# KiCad board pq-register.kicad_pcb (continued)
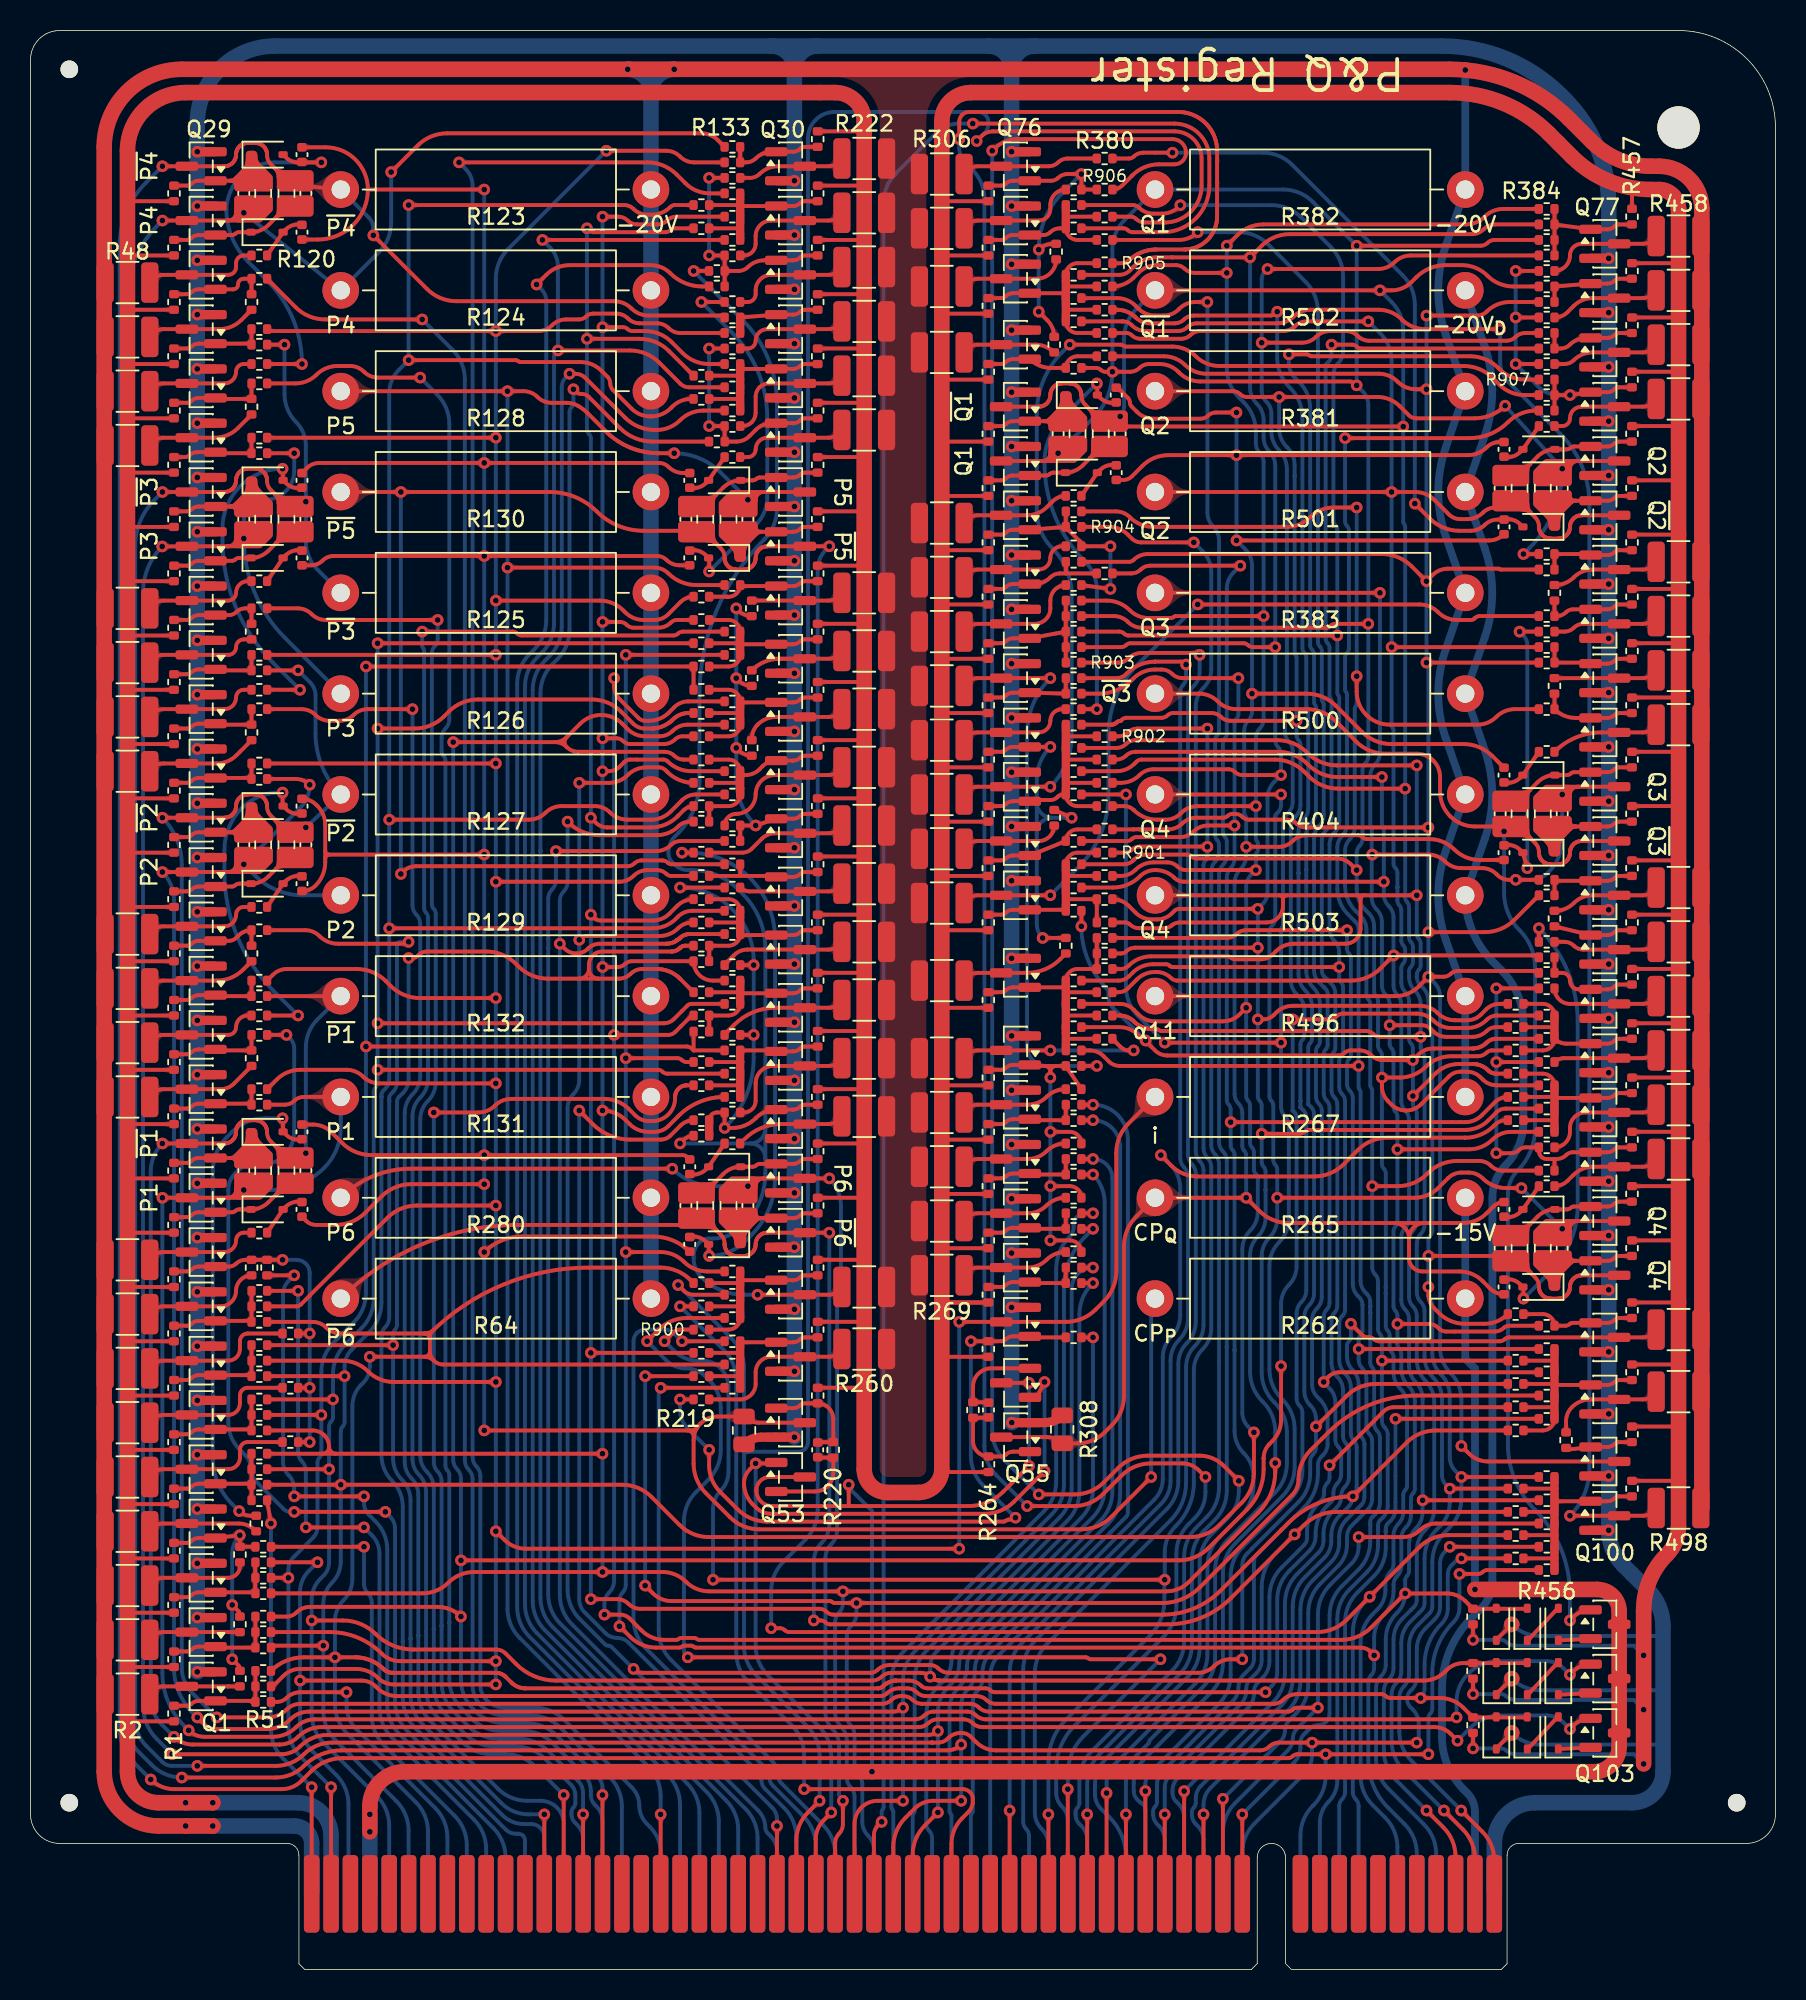
[diagram p0: board, top side]
## Routing (per net, layer and track width the routed paths; a pad name or vN(x,y) marks a point on that pad's centre or on a via; arc(x,y) is an arc through that point) (continued)
Net-(Q46-B): length 12.3
  Top w0.254: R251.1 50.72,60.45 arc(50.56,60.42) 50.42,60.32 arc(50.21,60.18) 49.95,60.13 Q46.1 arc(48.77,60.18) 48.69,60.2 R198.2 ; 46.48,59.44 44.45,59.44 ; 46.48,57.91 R201.2
  Top w0.54: R202.2 46.48,59.44 46.48,59.44 R198.2
Net-(Q46-C): length 9.1
  Top w0.254: R252.2 52.89,59.44 arc(52.61,59.25) 52.28,59.18 Q46.3 48.64,59.18 arc(47.83,58.85) 47.5,58.04 47.5,56.9 arc(47.27,56.36) 46.74,56.13 R203.1
Net-(Q47-B): length 33.8
  Top w0.254: v1(45.47,55.12) 45.96,55.12 arc(46.79,55.28) 47.5,55.75 47.52,55.77 arc(48.13,56.18) Q47.1 49.95,56.32 arc(50.21,56.37) 50.42,56.51 arc(50.56,56.61) 50.72,56.64 R253.1 ; 45.46,55.12 R203.2 44.96,56.13 arc(44.6,55.99) R204.2 44.6,55.78 ; v1(42.55,70.87) R184.2 ; v1(47.37,61.21) R197.2 ; v1(47.37,65.79) R191.2
  Top w0.54: R204.2 R205.2
  Bottom w0.254: v1(42.55,70.87) arc(45.96,69.45) 47.37,66.04 v1(47.37,65.79) v1(47.37,61.21) 47.37,59.72 arc(46.88,57.23) v1(45.47,55.12)
Net-(Q50-B): length 14.8
  Top w0.254: R257.1 50.72,45.46 arc(50.56,45.43) 50.42,45.34 arc(50.21,45.2) 49.95,45.15 Q50.1 46.58,45.15 arc(46.51,45.12) 46.48,45.05 arc(46.46,44.99) 46.39,44.96 R210.2 ; R900.2 45.72,41.91 arc(46.26,42.13) R213.2 ; 46.48,43.43 R212.2
  Top w0.54: R209.2 R213.2
Net-(Q51-B): length 12.3
  Top w0.254: 46.55,41.08 Q51.1 49.95,41.08 arc(50.21,41.13) 50.42,41.27 arc(50.56,41.37) 50.72,41.4 R259.1 ; 46.48,38.73 46.36,38.86 R217.2 ; 46.48,40.39 R215.2
  Top w0.54: R218.2 R214.2
Net-(Q51-C): length 10.8
  Top w0.254: R260.2 52.89,40.39 arc(52.61,40.2) 52.28,40.13 Q51.3 48.51,40.13 arc(47.8,39.83) 47.5,39.12 47.5,38.35 arc(47.2,37.64) 46.48,37.34 R219.1
Net-(Q52-B): length 6.9
  Top w0.254: Q52.1 49.95,36.76 arc(50.21,36.81) 50.42,36.96 arc(50.56,37.05) 50.72,37.08 R261.1 arc(52.28,36.78) 52.58,36.07 R220.2 51.59,34.55 arc(51.57,34.54) C25.2
Net-(Q53-E): length 6.5
  Top w0.254: Q53.2 51.37,31.31 arc(52.23,31.66) 52.58,32.51 R220.1 51.59,33.53 arc(51.57,33.53) C25.1
Net-(Q54-E): length 6.5
  Top w0.254: Q54.2 62.94,39.37 arc(62.09,39.02) 61.74,38.17 R307.1 62.72,37.16 arc(62.74,37.15) C26.1
Net-(Q55-B): length 6.9
  Top w0.254: Q55.1 64.36,33.92 arc(64.11,33.87) 63.89,33.73 arc(63.76,33.63) 63.59,33.6 R264.1 arc(62.03,33.9) 61.74,34.62 R307.2 62.72,36.14 arc(62.74,36.14) C26.2
Net-(Q56-B): length 47
  Top w0.254: v1(64.52,29.59) 64.45,29.53 arc(64.38,29.48) 64.3,29.46 64.05,29.46 arc(63.97,29.45) 63.9,29.4 arc(63.83,29.35) 63.75,29.34 48.24,29.34 arc(47.2,29.54) 46.32,30.13 45.17,31.29 arc(44.64,32.08) 44.45,33.02 v1(44.45,34.04) ; v1(42.55,37.34) R219.2 ; R309.2 65.52,41.4 arc(65.47,41.42) Q56.1 64.35,41.47 arc(64.09,41.42) 63.88,41.27 arc(63.74,41.18) 63.58,41.15 R266.1 61.6,41.15 arc(61.6,41.15) v1(61.6,41.15)
  Bottom w0.254: v1(42.55,37.34) 42.55,36.64 arc(42.67,35.99) 43.04,35.45 v1(44.45,34.04) ; v1(64.52,29.59) 62.39,31.72 arc(61.8,32.6) 61.59,33.64 v1(61.59,41.15)
Net-(Q57-B): length 6.2
  Top w0.254: R268.1 63.58,44.71 arc(63.74,44.74) 63.88,44.83 arc(64.09,44.97) 64.35,45.02 Q57.1 arc(65.47,44.98) 65.52,44.96 R310.2 R311.2
Net-(Q57-C): length 7.1
  Top w0.254: R312.1 67.77,46.99 arc(67.11,46.86) 66.55,46.48 arc(65.99,46.11) 65.32,45.97 Q57.3 62.02,45.97 arc(61.69,45.91) 61.41,45.72 R269.2
Net-(Q58-B): length 6.2
  Top w0.254: R270.1 63.58,48.26 arc(63.74,48.29) 63.88,48.39 arc(64.09,48.53) 64.35,48.58 Q58.1 arc(65.47,48.53) 65.52,48.51 R313.2 R314.2
Net-(Q58-C): length 7.1
  Top w0.254: R315.1 67.77,50.55 arc(67.11,50.41) 66.55,50.04 arc(65.99,49.66) 65.32,49.53 Q58.3 62.02,49.53 arc(61.69,49.46) 61.41,49.28 R271.2
Net-(Q59-B): length 6.2
  Top w0.254: R272.1 63.58,51.82 arc(63.74,51.85) 63.88,51.94 arc(64.09,52.09) 64.35,52.14 Q59.1 arc(65.47,52.09) 65.52,52.07 R316.2 R317.2
Net-(Q59-C): length 7.1
  Top w0.254: R273.2 61.41,52.83 arc(61.69,53.02) 62.02,53.09 Q59.3 65.32,53.09 arc(65.99,53.22) 66.55,53.59 arc(67.11,53.97) 67.77,54.1 R318.1
Net-(Q60-B): length 6.2
  Top w0.254: R274.1 63.58,55.37 arc(63.74,55.41) 63.88,55.5 arc(64.09,55.64) 64.35,55.69 Q60.1 arc(65.47,55.65) 65.52,55.63 R319.2 R320.2
Net-(Q60-C): length 7.1
  Top w0.254: R321.1 67.77,57.66 arc(67.11,57.53) 66.55,57.15 arc(65.99,56.77) 65.32,56.64 Q60.3 62.02,56.64 arc(61.69,56.58) 61.41,56.39 R275.2
Net-(Q61-B): length 26.9
  Top w0.254: 66.8,58.8 v1(66.8,58.42) ; 66.8,58.8 arc(66.69,59.07) 66.42,59.18 ; 66.8,58.8 arc(66.91,59.07) 67.18,59.18 ; 68.84,54.23 R318.2 arc(68.61,54.64) 68.07,54.86 v1(66.8,54.86) ; 67.18,59.18 R322.2 R321.2 ; 67.18,59.18 66.42,59.18 ; 68.84,50.58 R315.2 arc(68.61,51.08) 68.07,51.31 v1(66.8,51.31) ; R276.1 63.58,58.93 arc(63.74,58.96) 63.88,59.05 arc(64.09,59.2) 64.35,59.25 Q61.1 arc(65.47,59.2) 65.52,59.18 66.42,59.18 ; v1(66.8,47.75) 68.07,47.75 arc(68.61,47.53) R312.2 68.84,47.01 arc(68.83,47.02) 68.82,47.04
  Bottom w0.254: v1(66.8,47.75) v1(66.8,51.31) v1(66.8,54.86) v1(66.8,58.42)
Net-(Q61-C): length 13
  Top w0.254: v1(66.8,60.2) Q61.3 62.02,60.2 arc(61.69,60.13) 61.41,59.94 R277.2 ; v1(72.26,60.2) 71.95,60.2 arc(71.65,60.26) 71.41,60.42 R324.1
  Bottom w0.254: v1(72.26,60.2) v1(66.8,60.2)
Net-(Q62-B): length 20.5
  Top w0.254: R278.1 63.58,64.01 arc(63.74,64.04) 63.88,64.13 arc(64.09,64.28) 64.35,64.33 Q62.1 67.66,64.33 arc(67.77,64.37) 67.82,64.49 ; 67.82,62.48 R326.2 ; R328.2 67.98,64.01 arc(67.86,63.96) 67.82,63.85 ; R333.2 R331.2 R330.2 68.58,65.53 arc(68.04,65.31) R329.2 ; 67.82,60.96 R324.2
  Top w0.54: R329.2 R327.2 R325.2 R323.2
Net-(Q62-C): length 7.2
  Top w0.254: R279.2 61.41,65.02 arc(61.69,65.21) 62.02,65.28 Q62.3 65.28,65.28 arc(66.45,65.51) 67.45,66.18 R332.1
Net-(Q63-B): length 16.3
  Top w0.254: R281.1 63.58,69.09 arc(63.74,69.12) 63.88,69.21 arc(64.09,69.36) 64.35,69.41 Q63.1 67.75,69.41 arc(67.8,69.39) R335.2 ; 67.82,71.63 R338.2 ; 67.82,70.1 69.85,70.1 R336.2 69.85,70.1 R334.2 ; R901.2 68.58,73.15 arc(68.04,72.93) R339.2
  Top w0.54: R339.2 R335.2
Net-(Q63-C): length 51
  Top w0.254: R282.2 61.41,70.1 arc(61.69,70.29) 62.02,70.36 Q63.3 v1(66.8,70.36) ; v1(76.45,89.41) 90.98,89.41 arc(91.64,89.28) 92.2,88.9 arc(92.76,88.52) 93.43,88.39 94.36,88.39 arc(94.48,88.42) 94.58,88.48 94.61,88.52 arc(94.76,88.61) 94.92,88.65 R403.1
  Bottom w0.254: v1(76.45,89.41) 72.52,85.47 arc(71.11,83.36) 70.61,80.87 70.61,76.96 arc(70.1,74.38) 68.64,72.19 v1(66.8,70.36)
Net-(Q64-B): length 7.8
  Top w0.254: R283.1 63.58,72.65 arc(63.74,72.68) 63.88,72.77 arc(64.09,72.91) 64.35,72.96 Q64.1 R340.2 arc(68.04,74.45) 68.58,74.68 R341.2
Net-(Q64-C): length 6.7
  Top w0.254: R284.2 61.41,73.66 arc(61.69,73.85) 62.02,73.91 Q64.3 66.04,73.91 arc(66.76,74.21) R342.1
Net-(Q65-B): length 18.4
  Top w0.254: 67.82,80.77 R902.2 ; 67.82,77.72 R345.2 ; R343.2 68.58,76.2 arc(68.04,76.42) R344.2 67.63,76.96 arc(67.45,76.93) 67.3,76.83 67.26,76.78 arc(67.05,76.65) 66.82,76.6 65.59,76.6 arc(65.54,76.59) 65.49,76.56 arc(65.45,76.53) 65.4,76.52 64.35,76.52 arc(64.09,76.47) 63.88,76.33 arc(63.74,76.23) 63.58,76.2 R285.1 ; 67.82,79.25 R347.2
  Top w0.54: R344.2 R346.2 R348.2 R349.2
Net-(Q65-C): length 68.1
  Top w0.254: R395.1 97.85,103.12 arc(96.97,103.3) 96.23,103.8 95.79,104.23 arc(94.91,104.82) 93.87,105.03 77.86,105.03 arc(77.03,105.19) 76.33,105.66 arc(75.62,106.13) 74.79,106.3 71.72,106.3 arc(71.63,106.32) 71.56,106.36 arc(71.49,106.41) 71.41,106.43 v1(68.07,106.43) ; R286.2 61.41,77.22 arc(61.69,77.4) 62.02,77.47 Q65.3 v1(66.8,77.47)
  Bottom w0.254: v1(68.07,106.43) 67.59,105.95 arc(66.35,104.09) 65.91,101.89 65.91,95.54 arc(66.18,94.22) 66.93,93.09 arc(67.87,91.68) 68.2,90.02 68.2,80.84 arc(67.84,79.02) v1(66.8,77.47)
Net-(Q66-B): length 24.3
  Top w0.254: v1(68.2,75.44) R342.2 ; R332.2 66.3,67.57 ; R287.1 63.58,79.76 arc(63.74,79.79) 63.88,79.88 arc(64.09,80.03) 64.35,80.08 Q66.1 v1(66.8,80.08) ; 66.74,80.08 arc(66.78,80.06) 66.8,80.01
  Bottom w0.254: 65.91,76.44 65.91,77.93 arc(66.14,79.09) v1(66.8,80.08) ; 65.91,76.44 65.91,74.44 ; 65.91,76.44 arc(66.21,75.73) 66.91,75.44 ; 65.91,74.44 65.91,68.48 arc(66.01,67.99) v1(66.29,67.56) ; 65.91,74.44 arc(66.21,75.15) 66.91,75.44 ; v1(68.2,75.44) 66.91,75.44
Net-(Q67-B): length 6.2
  Top w0.254: R352.2 R351.2 Q67.1 64.35,83.63 arc(64.09,83.58) 63.88,83.44 arc(63.74,83.35) 63.58,83.31 R289.1
Net-(Q67-C): length 36.7
  Top w0.254: R290.2 61.41,84.33 arc(61.69,84.52) 62.02,84.58 Q67.3 v1(66.8,84.58) ; v1(69.85,59.18) R322.1
  Bottom w0.254: v1(69.85,59.18) 66.55,59.18 arc(65.65,59.55) 65.28,60.45 65.28,80.9 arc(65.67,82.89) v1(66.8,84.58)
Net-(Q68-B): length 9.3
  Top w0.254: R354.2 Q68.1 64.35,87.19 arc(64.09,87.14) 63.88,86.99 arc(63.74,86.9) 63.58,86.87 R291.1 ; R356.2 R903.2
Net-(Q68-C): length 8.5
  Top w0.254: R292.2 61.41,87.88 arc(61.69,88.07) 62.02,88.14 Q68.3 65.79,88.14 arc(66.5,88.44) 66.8,89.15 66.8,89.66 arc(67.1,90.38) R357.1
Net-(Q69-B): length 8.1
  Top w0.254: 67.82,91.44 R358.2 ; 67.82,91.44 67.42,91.44 arc(67.08,91.37) 66.8,91.19 arc(66.31,90.86) 65.73,90.74 64.35,90.74 arc(64.09,90.69) 63.88,90.55 arc(63.74,90.46) 63.58,90.43 R293.1 ; 67.82,91.44 arc(67.82,91.44) 67.82,91.44 R359.2
Net-(Q69-C): length 7.7
  Top w0.254: R360.1 67.56,93.22 arc(67.03,92.99) 66.8,92.46 arc(66.58,91.92) 66.04,91.69 Q69.3 62.02,91.69 arc(61.69,91.63) 61.41,91.44 R294.2
Net-(Q70-B): length 14.5
  Top w0.254: 67.82,94.5 67.82,94.47 ; 67.82,94.5 R361.2 ; 67.82,94.5 arc(67.81,94.49) 67.8,94.49 ; 67.82,94.47 arc(67.82,94.46) 67.83,94.44 68.76,93.51 arc(68.82,93.43) 68.84,93.33 arc(68.87,93.25) 68.94,93.22 v1(70.74,93.22) ; 67.82,94.47 arc(67.81,94.48) 67.8,94.49 ; R295.1 63.58,93.98 arc(63.74,94.01) 63.88,94.11 arc(64.09,94.25) 64.35,94.3 Q70.1 67.8,94.49 ; v1(70.74,90.42) R357.2
  Bottom w0.254: v1(70.74,90.42) v1(70.74,93.22)
Net-(Q73-B): length 7.8
  Top w0.254: R366.2 68.58,105.66 arc(68.04,105.44) R365.2 66.84,104.9 arc(66.09,105.05) Q73.1 64.35,105.48 arc(64.09,105.43) 63.88,105.28 arc(63.74,105.19) 63.58,105.16 R299.1
Net-(Q73-C): length 6.2
  Top w0.254: R300.2 61.41,106.17 arc(61.69,106.36) 62.02,106.43 Q73.3 65.82,106.43 arc(66.49,106.29) R367.1
Net-(Q74-B): length 17.2
  Top w0.254: R368.2 68.58,107.19 arc(68.04,107.41) R369.2 ; R301.1 63.58,109.48 arc(63.74,109.51) 63.88,109.6 arc(64.09,109.74) 64.35,109.79 Q74.1 67.82,109.79 ; R905.2 68.58,111.76 arc(68.04,111.54) R373.2 ; 67.82,108.71 R370.2 ; 67.82,110.24 R372.2
  Top w0.54: R369.2 R371.2 R373.2
Net-(Q74-C): length 6.9
  Top w0.254: R302.2 61.41,110.49 arc(61.69,110.68) 62.02,110.74 Q74.3 65.92,110.74 arc(66.81,111.12) R374.1
Net-(Q75-B): length 11.3
  Top w0.254: R303.1 63.58,113.29 arc(63.74,113.32) 63.88,113.41 arc(64.09,113.55) 64.35,113.6 Q75.1 66.35,113.6 arc(66.59,113.65) 66.8,113.79 arc(67.08,113.98) 67.42,114.05 R376.2 arc(68.04,113.51) 68.58,113.28 R375.2 ; 67.82,114.81 R377.2
  Top w0.54: R376.2 R378.2
Net-(Q75-C): length 8.1
  Top w0.254: R304.2 61.41,114.3 arc(61.69,114.49) 62.02,114.55 Q75.3 66.04,114.55 arc(66.58,114.78) 66.8,115.32 66.8,115.57 arc(67.1,116.29) R379.1
Net-(Q76-B): length 21.5
  Top w0.254: v1(66.04,108.58) 66.61,108.02 arc(66.94,107.52) R367.2 ; R305.1 63.58,116.84 arc(63.74,116.87) 63.88,116.97 arc(64.09,117.11) 64.35,117.16 Q76.1 66.86,117.16 arc(67.1,117.21) 67.31,117.35 arc(67.59,117.54) 67.92,117.6 v1(68.83,117.6) 68.83,116.59 arc(68.83,116.59) 68.83,116.59 arc(68.84,116.59) 68.84,116.59 R906.2 ; R374.2 66.96,113.03 arc(66.46,112.93) v1(66.04,112.65)
  Bottom w0.254: v1(66.04,108.58) v1(66.04,112.65) arc(66.44,114.64) 67.57,116.33 v1(68.83,117.6)
Net-(Q77-B): length 8.2
  Top w0.254: R385.2 Q77.1 103.29,113.98 arc(103.55,114.03) 103.76,114.17 arc(103.9,114.27) 104.06,114.3 R457.1 ; R387.2 R386.2 R384.2
Net-(Q77-C): length 7.9
  Top w0.254: R458.2 106.23,113.28 arc(105.95,113.1) 105.62,113.03 Q77.3 101.6,113.03 arc(101.06,112.81) 100.84,112.27 100.84,112.27 arc(100.54,111.55) R388.1
Net-(Q78-B): length 6.2
  Top w0.254: R459.1 104.06,110.74 arc(103.9,110.71) 103.76,110.62 arc(103.55,110.47) 103.29,110.42 Q78.1 R389.2 R390.2
Net-(Q78-C): length 7.2
  Top w0.254: R460.2 106.23,109.73 arc(105.95,109.54) 105.62,109.47 Q78.3 102.32,109.47 arc(101.65,109.34) 101.09,108.97 100.69,108.56 arc(100.29,108.3) R391.1
Net-(Q79-B): length 6.4
  Top w0.254: R461.1 104.06,107.19 arc(103.9,107.15) 103.76,107.06 arc(103.55,106.92) 103.29,106.87 101.91,106.87 arc(101.33,106.75) 100.84,106.43 arc(100.56,106.24) 100.22,106.17 R393.2 R392.2
Net-(Q79-C): length 7
  Top w0.254: R394.1 100.48,105.16 arc(100.81,105.22) 101.09,105.41 arc(101.65,105.79) 102.32,105.92 Q79.3 105.62,105.92 arc(105.95,105.98) 106.23,106.17 R462.2
Net-(Q80-B): length 22.2
  Top w0.254: R463.1 104.06,103.63 arc(103.9,103.6) 103.76,103.5 arc(103.55,103.36) 103.29,103.31 Q80.1 v1(100.84,103.12) R395.2 ; R396.2 R907.2 ; v1(97.28,105.16) R394.2 ; v1(97.28,111.25) R388.2 ; v1(97.28,108.2) R391.2
  Bottom w0.254: v1(100.84,103.12) 100.08,103.12 arc(99.37,103.26) 98.78,103.66 v1(97.28,105.16) v1(97.28,108.2) v1(97.28,111.25)
Net-(Q83-B): length 6.2
  Top w0.254: R467.1 104.06,92.96 arc(103.9,92.93) 103.76,92.84 arc(103.55,92.69) 103.29,92.64 102.23,92.64 arc(102.19,92.65) 102.15,92.68 arc(102.12,92.7) 102.07,92.71 R400.2 R401.2
Net-(Q83-C): length 7.1
  Top w0.254: R468.2 106.23,91.95 arc(105.95,91.76) 105.62,91.69 Q83.3 102.32,91.69 arc(101.65,91.56) 101.09,91.19 arc(100.53,90.81) 99.87,90.68 R402.1
Net-(Q84-B): length 6.3
  Top w0.254: R469.1 104.06,89.41 arc(103.9,89.37) 103.76,89.28 arc(103.55,89.14) 103.29,89.09 Q84.1 101.04,89.09 arc(100.79,89.04) 100.58,88.9 arc(100.3,88.71) 99.97,88.65 99.9,88.65 arc(99.84,88.67) 99.82,88.72 R402.2
Net-(Q85-B): length 6.2
  Top w0.254: R471.1 104.06,85.85 arc(103.9,85.82) 103.76,85.72 arc(103.55,85.58) 103.29,85.53 Q85.1 arc(102.11,85.58) 102.03,85.6 R407.2 R406.2
Net-(Q85-C): length 6.8
  Top w0.254: R472.2 106.23,84.84 arc(105.95,84.65) 105.62,84.58 Q85.3 99.83,84.58 arc(99.82,84.58) R408.1
Net-(Q86-B): length 6.3
  Top w0.254: R473.1 104.06,82.29 arc(103.9,82.26) 103.76,82.17 arc(103.55,82.03) 103.29,81.98 Q86.1 101.21,81.98 arc(100.46,82.13) R409.2 99.82,83.56 arc(99.82,83.56) R408.2
Net-(Q89-B): length 6
  Top w0.254: R477.1 104.06,71.63 arc(103.9,71.59) 103.76,71.5 arc(103.55,71.36) 103.29,71.31 Q89.1 99.98,71.31 ; R414.2 R413.2
Net-(Q89-C): length 7.1
  Top w0.254: R415.1 99.87,69.34 arc(100.53,69.48) 101.09,69.85 arc(101.65,70.23) 102.32,70.36 Q89.3 105.62,70.36 arc(105.95,70.42) 106.23,70.61 R478.2
Net-(Q90-B): length 5.2
  Top w0.254: R415.2 Q90.1 103.29,67.75 arc(103.55,67.8) 103.76,67.94 arc(103.9,68.04) 104.06,68.07 R479.1
Net-(Q91-B): length 6.8
  Top w0.254: R481.1 104.06,64.51 arc(103.9,64.48) 103.76,64.39 arc(103.55,64.25) 103.29,64.2 Q91.1 101.41,64.2 arc(101.01,64.36) 100.84,64.77 arc(100.69,65.13) 100.33,65.28 R418.2 R417.2
Net-(Q91-C): length 7.4
  Top w0.254: R482.2 106.23,63.5 arc(105.95,63.31) 105.62,63.25 Q91.3 100.84,63.25 arc(100.12,63.54) R419.1
Net-(Q92-B): length 13.7
  Top w0.254: R424.2 99.06,60.2 arc(99.6,60.42) R423.2 arc(100.18,60.72) 100.6,60.64 Q92.1 103.29,60.64 arc(103.55,60.69) 103.76,60.83 arc(103.9,60.93) 104.06,60.96 R483.1 ; 99.82,61.72 R422.2 ; R420.2 99.06,63.25 arc(99.6,63.02) R421.2
  Top w0.54: R423.2 R421.2
Net-(Q92-C): length 6.9
  Top w0.254: R484.2 106.23,59.94 arc(105.95,59.76) 105.62,59.69 Q92.3 100.44,59.69 arc(100.11,59.62) R425.1
Net-(Q93-B): length 14.7
  Top w0.254: 99.89,57.08 Q93.1 103.29,57.08 arc(103.55,57.13) 103.76,57.28 arc(103.9,57.37) 104.06,57.4 R485.1 ; R426.2 99.06,58.67 arc(99.6,58.45) R427.2 ; 99.82,55.63 R430.2 ; 99.82,57.15 R428.2
  Top w0.54: R431.2 R427.2
Net-(Q93-C): length 8.3
  Top w0.254: R486.2 106.23,56.39 arc(105.95,56.2) 105.62,56.13 Q93.3 101.85,56.13 arc(101.14,55.84) 100.84,55.12 100.84,54.86 arc(100.54,54.14) R432.1
Net-(Q94-B): length 26.8
  Top w0.254: R433.2 99.82,53.08 arc(99.82,53.08) 99.82,53.09 ; 99.82,53.09 99.31,53.09 arc(98.95,53.24) 98.8,53.6 98.8,53.72 arc(98.77,53.81) 98.68,53.85 97.93,53.85 arc(97.68,53.8) 97.47,53.66 arc(97.26,53.52) 97.01,53.47 v1(96.01,53.47) ; 99.82,53.09 99.97,53.09 arc(100.3,53.15) 100.58,53.34 arc(100.79,53.48) 101.04,53.53 Q94.1 103.29,53.53 arc(103.55,53.58) 103.76,53.72 arc(103.9,53.81) 104.06,53.85 R487.1 ; v1(96.01,59.44) R425.2 ; v1(96.01,64.26) R419.2
  Bottom w0.254: v1(96.01,53.47) v1(96.01,64.26)
Net-(Q97-B): length 7.7
  Top w0.254: R437.2 99.06,42.93 arc(99.6,42.7) R438.2 100.53,42.16 arc(100.7,42.2) 100.84,42.29 arc(100.91,42.34) 100.99,42.35 Q97.1 103.29,42.35 arc(103.55,42.4) 103.76,42.54 arc(103.9,42.64) 104.06,42.67 R491.1
Net-(Q98-B): length 18.1
  Top w0.254: 99.82,36.83 R444.2 ; R442.2 99.82,38.35 ; 99.98,38.29 Q98.1 103.29,38.29 arc(103.55,38.34) 103.76,38.48 arc(103.9,38.57) 104.06,38.61 R493.1 ; R446.2 99.06,35.31 arc(99.6,35.53) R445.2 ; 99.82,39.88 R440.2
  Top w0.54: R445.2 R443.2 R441.2 R439.2
Net-(Q98-C): length 7.7
  Top w0.254: 100.58,35.05 100.58,35.91 arc(100.68,36.41) 100.96,36.83 arc(101.53,37.21) 102.19,37.34 Q98.3 105.62,37.34 arc(105.95,37.4) 106.23,37.59 R494.2
Net-(Q99-B): length 4.4
  Top w0.254: 100.58,34.03 Q99.1 103.29,34.22 arc(103.55,34.27) 103.76,34.42 arc(103.9,34.51) 104.06,34.54 R495.1
Net-(Q100-B): length 19.3
  Top w0.254: R451.2 99.7,29.97 arc(99.79,30.01) 99.82,30.1 ; 99.98,30.67 Q100.1 103.29,30.67 arc(103.55,30.72) 103.76,30.86 arc(103.9,30.95) 104.06,30.99 R497.1 ; R453.2 99.82,28.45 ; R449.2 99.82,31.5 ; R455.2 99.82,26.92
  Top w0.54: R448.2 R452.2 R454.2 R456.2
Net-(Q100-C): length 114.3
  Top w0.254: R498.2 106.23,29.97 arc(105.95,29.78) 105.62,29.72 Q100.3 v1(100.84,29.72) ; v1(96.27,107.44) 91.35,107.44 arc(90.53,107.61) 89.82,108.08 arc(89.12,108.55) 88.29,108.71 83.81,108.71 arc(83.23,108.6) 82.74,108.27 arc(82.25,107.94) 81.67,107.82 76.39,107.82 arc(76.06,107.76) 75.78,107.57 arc(75.49,107.38) 75.16,107.31 73.06,107.31 arc(72.56,107.41) 72.14,107.7 72.11,107.72 arc(71.86,107.89) 71.56,107.95 71.54,107.95 arc(71.52,107.95) 71.5,107.95 R369.1
  Bottom w0.254: v1(96.27,107.44) 96.27,105.3 arc(96.41,104.58) 96.82,103.97 100.22,100.56 arc(101.62,98.48) 102.11,96.01 102.11,32.78 arc(101.78,31.12) v1(100.84,29.72)

## Copper pours and planes (outline as drawn; the poured copper is in the pictures)
-20V on Top: 55.12,121.16 55.12,31.75 59.18,31.75 59.18,121.16 62.23,124.21 52.07,124.21
/P1/P1_{S} on Top (solid shape): 13.59,51.94 15.62,51.94 15.62,51.31 14.99,50.67 13.59,50.67
P2 on Top (solid shape): 13.59,73.28 15.62,73.28 15.62,72.64 14.99,72.01 13.59,72.01
P3 on Top (solid shape): 13.59,94.61 15.62,94.61 15.62,93.98 14.99,93.34 13.59,93.34
P4 on Top (solid shape): 13.59,115.95 15.62,115.95 15.62,115.32 14.99,114.68 13.59,114.68
P5 on Top (solid shape): 47.37,95.38 45.34,95.38 45.34,96.01 45.97,96.65 47.37,96.65
P6 on Top (solid shape): 47.37,50.42 45.34,50.42 45.34,51.05 45.97,51.69 47.37,51.69
Q1 on Top (solid shape): 66.93,100.2 68.96,100.2 68.96,99.57 68.33,98.93 66.93,98.93
Q2 on Top (solid shape): 100.71,97.41 98.68,97.41 98.68,98.04 99.31,98.68 100.71,98.68
Q3 on Top (solid shape): 100.71,76.07 98.68,76.07 98.68,76.71 99.31,77.34 100.71,77.34
Q4 on Top (solid shape): 100.71,47.62 98.68,47.62 98.68,48.26 99.31,48.89 100.71,48.89
Net-(CR2-K) on Top (solid shape): 13.59,52.7 15.62,52.7 15.62,53.34 14.61,54.36 14.61,54.86 14.35,54.86 14.35,54.1 13.59,53.21
Net-(CR4-K) on Top (solid shape): 13.59,74.04 15.62,74.04 15.62,74.68 14.61,75.69 14.61,76.2 14.35,76.2 14.35,75.44 13.59,74.55
Net-(CR6-K) on Top (solid shape): 13.59,95.38 15.62,95.38 15.62,96.01 14.61,97.03 14.61,97.54 14.35,97.54 14.35,96.77 13.59,95.88
Net-(CR8-K) on Top (solid shape): 13.59,116.71 15.62,116.71 15.62,117.35 14.61,118.36 14.61,118.87 14.35,118.87 14.35,118.11 13.59,117.22
Net-(CR10-K) on Top (solid shape): 47.37,94.61 45.34,94.61 45.34,93.98 46.36,92.96 46.36,92.46 46.61,92.46 46.61,93.22 47.37,94.11
Net-(CR12-K) on Top (solid shape): 47.37,49.66 45.34,49.66 45.34,49.02 46.36,48.01 46.36,47.5 46.61,47.5 46.61,48.26 47.37,49.15
Net-(CR14-K) on Top (solid shape): 66.93,100.96 68.96,100.96 68.96,101.6 67.95,102.62 67.95,103.12 67.69,103.12 67.69,102.36 66.93,101.47
Net-(CR16-K) on Top (solid shape): 100.71,96.65 98.68,96.65 98.68,96.01 99.7,95 99.7,94.49 99.95,94.49 99.95,95.25 100.71,96.14
Net-(CR18-K) on Top (solid shape): 100.71,75.31 98.68,75.31 98.68,74.68 99.7,73.66 99.7,73.15 99.95,73.15 99.95,73.91 100.71,74.8
Net-(CR20-K) on Top (solid shape): 100.71,46.86 98.68,46.86 98.68,46.23 99.7,45.21 99.7,44.7 99.95,44.7 99.95,45.47 100.71,46.35

Small or netless copper shapes (teardrops, artwork), in the pictures only: 1989 on Top, 664 on Bottom

## Text on the board
B.Silkscreen: ${TITLE}, Rev ${REVISION} | ${COMMENT1} | Layout ${COMPANY} | Logic designed 1963 by General Precision, Inc. | LGP-21 Mini
F.Silkscreen: ~{P4} | P4 | P5 | ~{P5} | ~{P3} | P3 | ~{P2} | P2 | ~{P1} | P1 | P6 | ~{P6} | -20V | ~{Q3} | Q1 | ~{Q1} | Q2 | ~{Q2} | Q3 | Q4 | α11 | i | CP_{Q} | CP_{P} | -15V | -20V_{D} | ~{Q4} | ${TITLE}
